# Altium PCB SVEC.pcbdoc (part 18 of 18)
Units mil, origin at the board's own origin, x right, y up, seen from the top; angles counter-clockwise.
Board outline 6349.25 x 9237.04 mil, 10 copper layers (Top Layer, L2 GND, L3, L4 PWR3.3, L5, L6, L7 GND, L8, L9 PWR, Bottom Layer), stack 58.268 mil thick; 906 components, 904 nets, 4753 pads, 3116 vias.
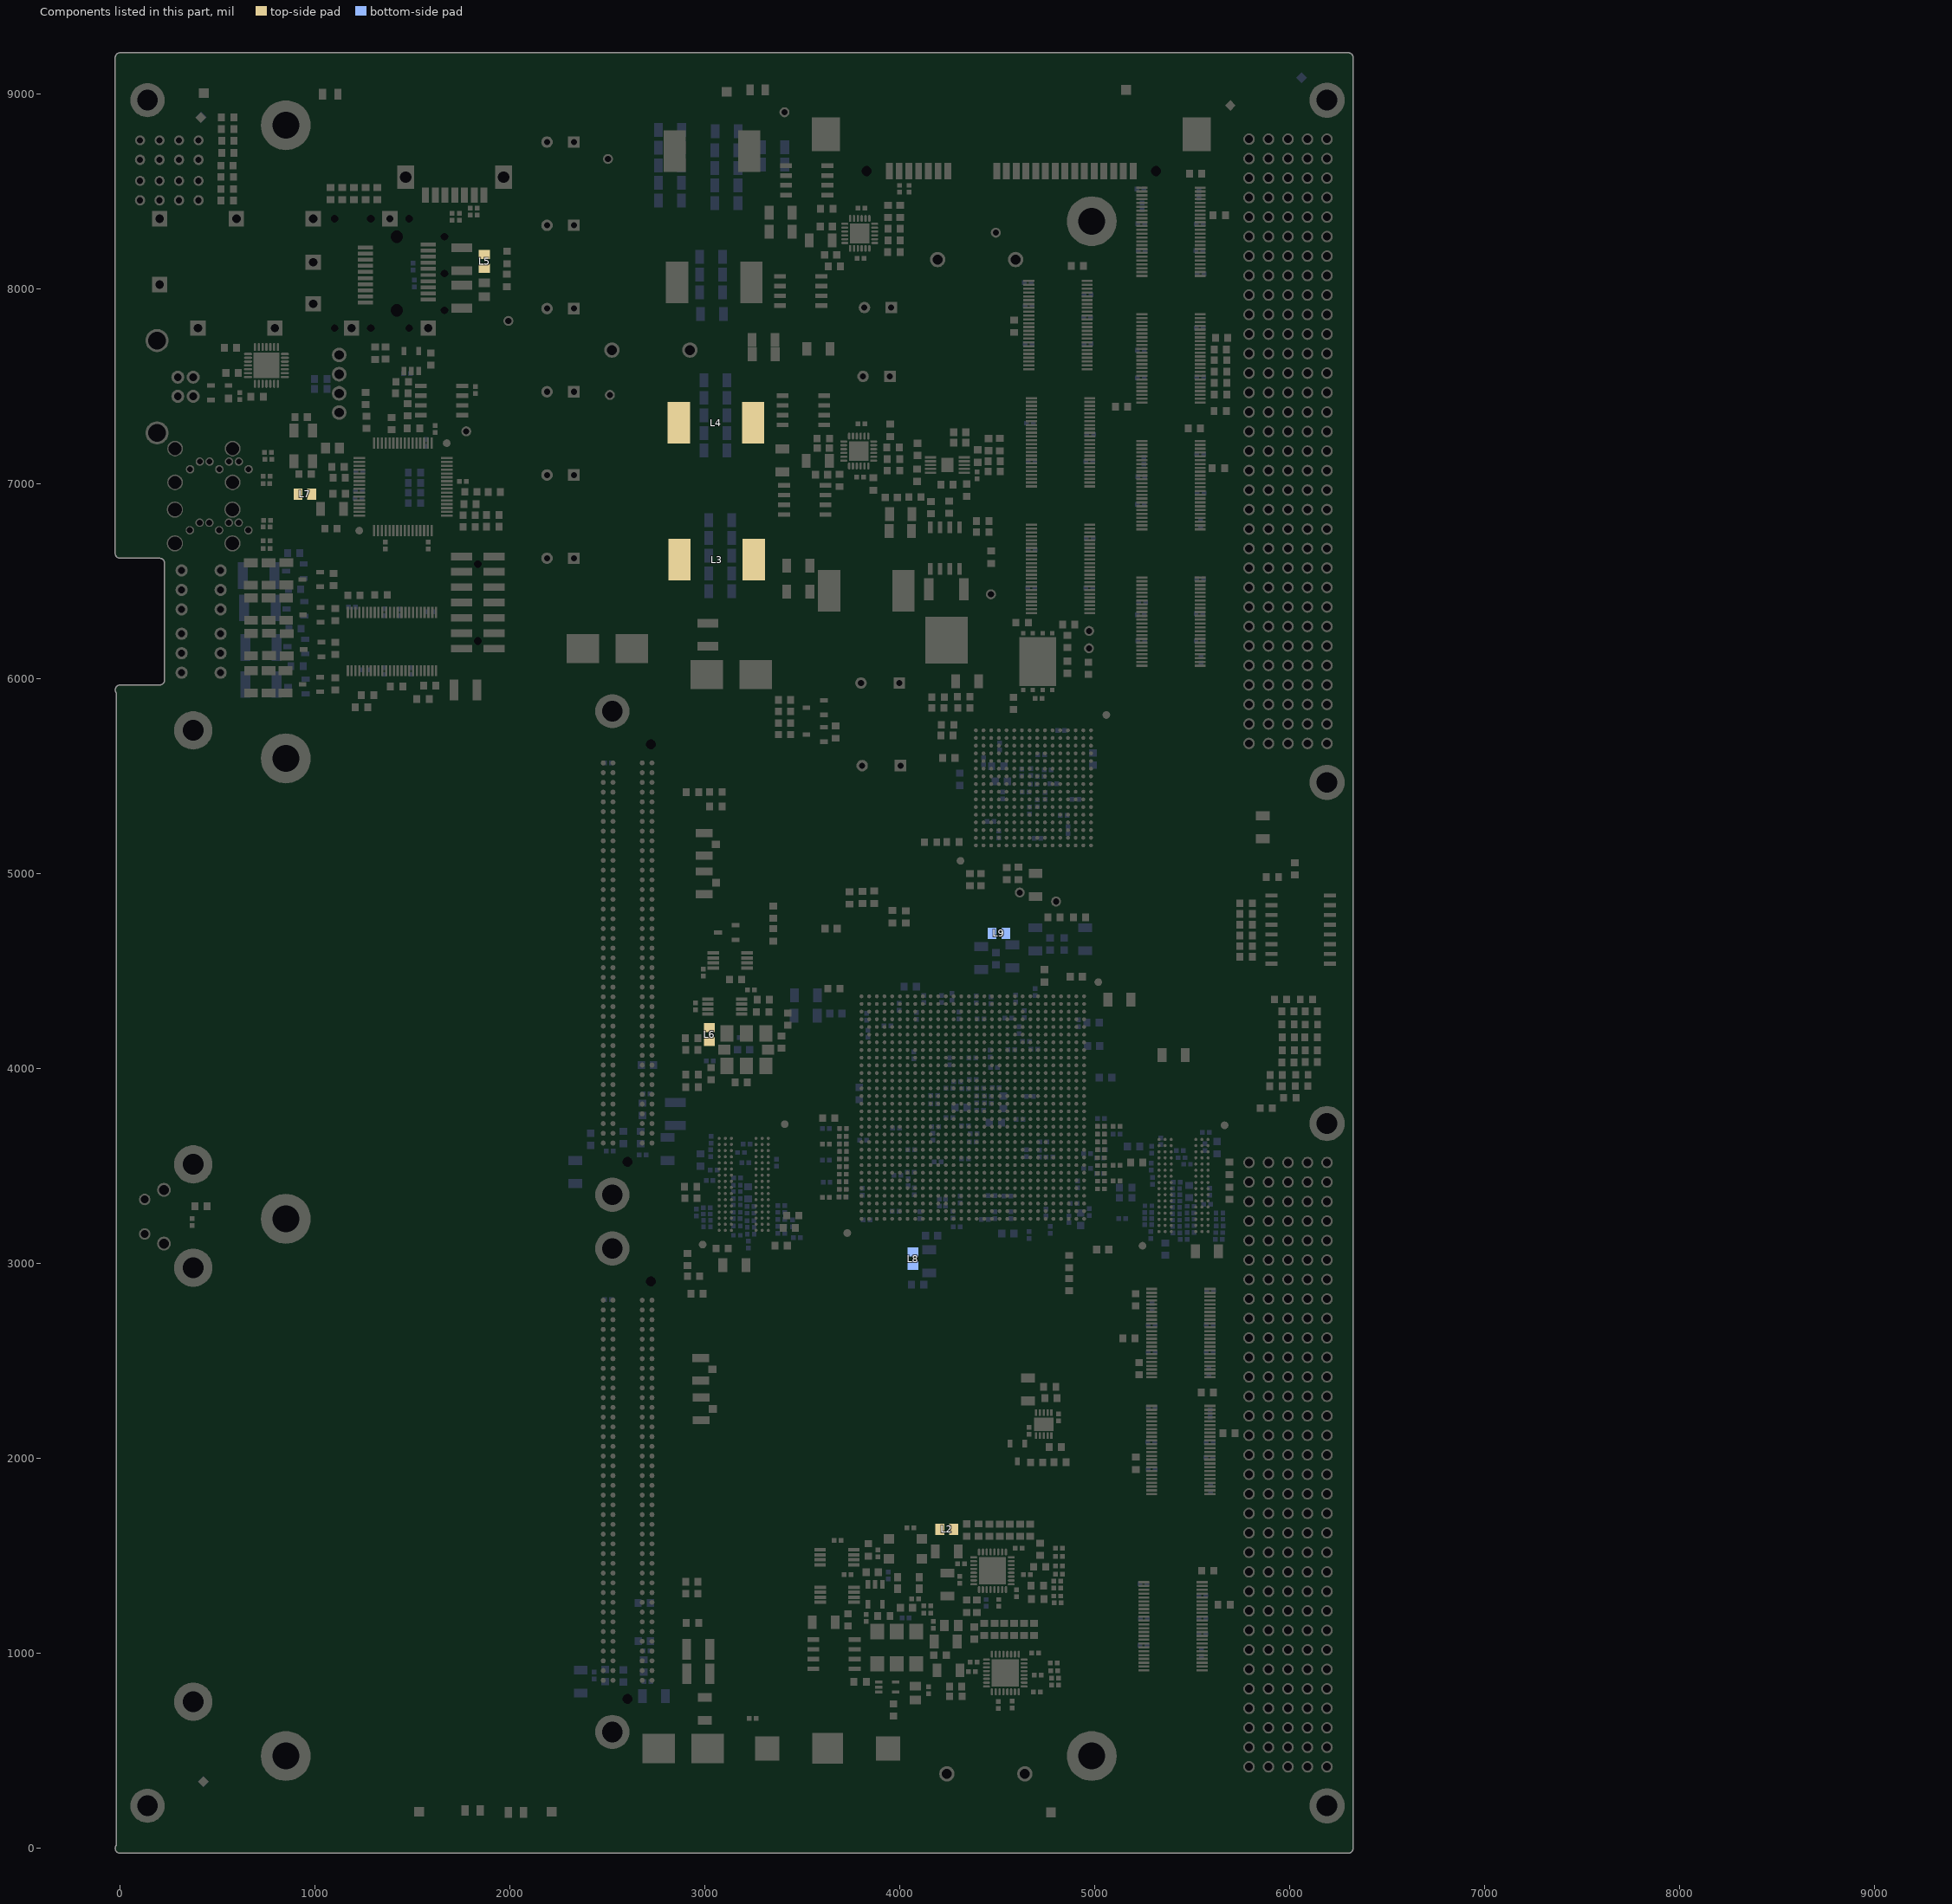
[diagram p26: the components of this part, seen from the top]

## Polygon pours and split planes (outlines as drawn) (continued)
P3V3_CLEAN on L9 PWR (split plane): 4945.48,1441.82 4945.48,749.2 4840.86,644.58 3848.24,644.58 3746.6,746.23 3746.6,1431.83 3974.2,1659.43 4727.86,1659.43
P2V5 on L9 PWR (split plane): 156 vertices, not listed, extent 2394.77,3277.58 4831.53,7668.79
P1V5 on L9 PWR (split plane): 139 vertices, not listed, extent 1580.28,945.72 5687.61,8361.43
P1V2 on L9 PWR (split plane): 255.3,2009.17 105.98,2009.17 105.98,2127.28 255.3,2127.28
P3V3 on L9 PWR (split plane): 221 vertices, not listed, extent -5.41,-5.41 6304.62,9192.42

## Keep-outs
Keep-Out Layer:
  lines w5: 0,0 0,5943.51 203.05,5943.51 ccw(c203.05,5993.51) 253.05,5993.51 253.05,6593.51 ccw(c203.05,6593.51) 203.05,6643.51 0,6643.51 0,9187.01 6299.22,9187.01 6299.22,0 0,0 ; 2410.63,597.64 ccw(c2524.81,597.64) 2638.98,597.64 ccw(c2524.81,597.64) 2410.63,597.64 ; 2410.63,3077.56 ccw(c2524.81,3077.56) 2638.98,3077.56 ccw(c2524.81,3077.56) 2410.63,3077.56 ; 2410.63,3353.15 ccw(c2524.81,3353.15) 2638.98,3353.15 ccw(c2524.81,3353.15) 2410.63,3353.15 ; 2410.63,5833.86 ccw(c2524.81,5833.86) 2638.98,5833.86 ccw(c2524.81,5833.86) 2410.63,5833.86

## Other copper
Top Layer:
  text "Dielectric" at 7090.13,5557.09 h37 r90
  text "Type" at 7164.13,5557.09 h37 r90
  text "Core" at 7500.45,5557.09 h52 r90
  text "PrePreg" at 7653.01,5557.09 h52 r90
  text "Core" at 7805.57,5557.09 h52 r90
  text "PrePreg" at 7958.12,5557.09 h52 r90
  text "Core" at 8110.68,5557.09 h52 r90
  text "PrePreg" at 8263.24,5557.09 h52 r90
  text "Core" at 8415.8,5557.09 h52 r90
  text "PrePreg" at 8568.36,5557.09 h52 r90
  text "Core" at 8720.92,5557.09 h52 r90
  text "Dielectric" at 7090.13,4982.84 h37 r90
  text "Constant" at 7164.13,4982.84 h37 r90
  text "3.50" at 7271.61,4982.84 h52 r90
  text "4.60" at 7500.45,4982.84 h52 r90
  text "4.80" at 7653.01,4982.84 h52 r90
  text "4.80" at 7805.57,4982.84 h52 r90
  text "4.80" at 7958.12,4982.84 h52 r90
  text "4.80" at 8110.68,4982.84 h52 r90
  text "4.80" at 8263.24,4982.84 h52 r90
  text "4.80" at 8415.8,4982.84 h52 r90
  text "4.80" at 8568.36,4982.84 h52 r90
  text "4.80" at 8720.92,4982.84 h52 r90
  text "3.50" at 8949.76,4982.84 h52 r90
  text "Dielectric" at 7090.13,4249.64 h37 r90
  text "Material" at 7164.13,4249.64 h37 r90
  text "Solder Resist" at 7271.61,4249.64 h52 r90
  text "FR-4" at 7500.45,4249.64 h52 r90
  text "FR-4" at 7653.01,4249.64 h52 r90
  text "FR-4" at 7805.57,4249.64 h52 r90
  text "FR-4" at 7958.12,4249.64 h52 r90
  text "FR-4" at 8110.68,4249.64 h52 r90
  text "FR-4" at 8263.24,4249.64 h52 r90
  text "FR-4" at 8415.8,4249.64 h52 r90
  text "FR-4" at 8568.36,4249.64 h52 r90
  text "FR-4" at 8720.92,4249.64 h52 r90
  text "Solder Resist" at 8949.76,4249.64 h52 r90
  text "Dielectric" at 7090.13,3675.39 h37 r90
  text "Height" at 7164.13,3675.39 h37 r90
  text "0.394mil" at 7271.61,3675.39 h52 r90
  text "3.937mil" at 7500.45,3675.39 h52 r90
  text "5.905mil" at 7653.01,3675.39 h52 r90
  text "5.905mil" at 7805.57,3675.39 h52 r90
  text "3.937mil" at 7958.12,3675.39 h52 r90
  text "11.811mil" at 8110.68,3675.39 h52 r90
  text "3.937mil" at 8263.24,3675.39 h52 r90
  text "5.905mil" at 8415.8,3675.39 h52 r90
  text "5.905mil" at 8568.36,3675.39 h52 r90
  text "3.937mil" at 8720.92,3675.39 h52 r90
  text "0.394mil" at 8949.76,3675.39 h52 r90
  text "Copper" at 7090.13,3127.03 h37 r90
  text "Thickness" at 7164.13,3127.03 h37 r90
  text "0.709mil" at 7424.17,3127.03 h52 r90
  text "0.709mil" at 7576.73,3127.03 h52 r90
  text "0.709mil" at 7729.29,3127.03 h52 r90
  text "0.709mil" at 7881.85,3127.03 h52 r90
  text "0.709mil" at 8034.4,3127.03 h52 r90
  text "0.709mil" at 8186.96,3127.03 h52 r90
  text "0.709mil" at 8339.52,3127.03 h52 r90
  text "0.709mil" at 8492.08,3127.03 h52 r90
  text "0.709mil" at 8644.64,3127.03 h52 r90
  text "0.709mil" at 8797.2,3127.03 h52 r90
  text "Gerber" at 7090.13,2639.09 h37 r90
  text "Document" at 7164.13,2639.09 h37 r90
  text "(.GTS)" at 7271.61,2639.09 h52 r90
  text "(.GTL)" at 7424.17,2639.09 h52 r90
  text "(.GP1)" at 7576.73,2639.09 h52 r90
  text "(.G1)" at 7729.29,2639.09 h52 r90
  text "(.GP2)" at 7881.85,2639.09 h52 r90
  text "(.G2)" at 8034.4,2639.09 h52 r90
  text "(.G3)" at 8186.96,2639.09 h52 r90
  text "(.GP3)" at 8339.52,2639.09 h52 r90
  text "(.G4)" at 8492.08,2639.09 h52 r90
  text "(.GP4)" at 8644.64,2639.09 h52 r90
  text "(.GBL)" at 8797.2,2639.09 h52 r90
  text "(.GBS)" at 8949.76,2639.09 h52 r90
  text "Layer Stack Up Detail for: SVEC.pcbdoc" at 6988.66,1645.97 h72 r90
  text "Layer" at 7090.13,1645.97 h37 r90
  text "Name" at 7164.13,1645.97 h37 r90
  text "Top Solder Mask" at 7271.61,1645.97 h52 r90
  text "Top Layer" at 7424.17,1645.97 h52 r90
  text "L2 GND" at 7576.73,1645.97 h52 r90
  text "L3" at 7729.29,1645.97 h52 r90
  text "L4 PWR3.3" at 7881.85,1645.97 h52 r90
  text "L5" at 8034.4,1645.97 h52 r90
  text "L6" at 8186.96,1645.97 h52 r90
  text "L7 GND" at 8339.52,1645.97 h52 r90
  text "L8" at 8492.08,1645.97 h52 r90
  text "L9 PWR" at 8644.64,1645.97 h52 r90
  text "Bottom Layer" at 8797.2,1645.97 h52 r90
  text "Bottom Solder Mask" at 8949.76,1645.97 h52 r90
  text "1" at 220.01,1103.66 h80 r90
  text "TOP" at 65.55,443.51 h75
L3:
  pour cut-out: 3713.8,9204.36 5427.01,9204.36 5427.58,9204.92 5427.58,8901.88 3713.8,8901.88
  text "3" at 220.01,1339.88 h80 r90
L6:
  pour cut-out: 3715.29,9204.36 5428.51,9204.36 5429.07,9204.92 5429.07,8901.88 3715.29,8901.88
  text "6" at 220.01,1694.21 h80 r90
L5:
  pour cut-out: 3713.8,9204.36 5427.01,9204.36 5427.58,9204.92 5427.58,8901.88 3713.8,8901.88
  text "5" at 220.01,1576.1 h80 r90
L8:
  pour cut-out: 3717.5,9204.36 5430.71,9204.36 5431.28,9204.92 5431.28,8901.88 3717.5,8901.88
  text "8" at 220.01,1930.43 h80 r90
Bottom Layer:
  pour cut-out: 3713.8,9204.36 5427.01,9204.36 5427.58,9204.92 5427.58,8901.88 3713.8,8901.88
  text "10" at 220.01,2166.65 h80 r90
  text "BOT" at 253.05,443.51 h75
L2 GND (plane layer: these items are gaps in the copper):
  rectangle: 101.9,1064.29 259.38,1182.4
  rectangle: 101.9,1300.51 259.38,2324.13
  lines w40: 3704.26,9213.89 3713.8,9204.36 3713.8,8901.88 ; 5427.62,8879.25 5427.62,9204.96 5436.55,9213.89
  text "2" at 220.01,1221.77 h80 r90
L9 PWR (plane layer: these items are gaps in the copper):
  rectangle: 101.9,1068.36 255.3,2009.17
  rectangle: 105.98,2127.28 259.38,2320.05
  lines w8: 1576.69,7913.64 1802.69,7687.64 1802.69,5711.64 1919.69,5594.64 1919.69,3631.64 2430.69,3120.64 2430.69,982.64 2471.69,941.64 3037.69,941.64 4746.69,2650.64 4845.69,2650.64 5139.69,2944.64 5572.69,2944.64 ; 1576.69,7917.64 1576.69,8227.64 1616.69,8267.64 2027.69,8267.64 ; 1897.69,8266.64 1897.69,8902.64 ; 1898.69,8902.64 2037.69,9041.64 2596.69,9041.64 ; 1995.69,8267.64 2366.69,8267.64 2464.69,8365.64 2467.69,8365.64 ; 2390.69,3761.64 2390.69,5924.64 2453.55,5987.51 2453.55,7328.51 2453.55,7540.51 2582.55,7669.51 3064.55,7669.51 3073.55,7678.51 ; 2390.69,5923.64 2390.69,3695.64 2450.69,3635.64 2855.69,3635.64 3040.24,3820.19 3655.05,3820.19 3737.69,3737.55 3743.63,3731.61 3793.45,3731.61 3912.39,3731.61 4041.55,3602.45 4041.55,3513.51 ; 2464.55,8365.51 3022.82,8365.51 3073.23,8315.1 ; 2577.69,9040.64 2963.55,9040.64 4055.69,7948.51 4055.69,6922.64 5533.69,5444.64 5533.69,3964.89 5464.4,3895.6 5691.69,3668.31 5691.69,3063.64 5571.55,2943.51 ; 3071.69,9211.64 3073.69,9209.64 ; 3073.69,7657.64 3073.69,8313.64 ; 3074.69,7664.64 3073.23,7664.64 3073.69,7664.18 3073.69,6679.64 4341.69,5411.64 4341.69,5267.64 4543.69,5065.64 4695.69,5065.64 ; 4041.55,3512.51 4041.55,3484.51 3998.55,3441.51 3998.55,3286.51 4011.55,3273.51 4733.55,3273.51 ; 4094.55,3758.51 4094.55,3759.51 ; 4358.55,4676.51 4359.55,4676.51 ; 4684.55,4007.51 4821.55,4144.51 4821.55,4584.51 ; 4694.55,5065.51 4760.55,4999.51 4760.55,4914.51 4693.55,4847.51 4657.55,4847.51 4655.55,4845.51 4403.55,4845.51 4359.55,4801.51 4359.55,4676.51 ; 4699.55,4023.51 4690.55,4014.51 4213.55,4014.51 4165.55,3966.51 4165.55,3689.51 4189.55,3665.51 4227.55,3665.51 4234.55,3672.51 4234.55,3689.51 4247.55,3702.51 4290.55,3702.51 4325.55,3667.51 4725.55,3667.51 ; 4725.55,3273.51 4731.55,3273.51 4751.55,3293.51 4751.55,3588.51 ; 4727.55,3667.51 4729.55,3667.51 4752.06,3645 4752.55,3645 4752.55,3681.55 4813.55,3742.55 4930.56,3859.56 5428.36,3859.56 5464.8,3896 ; 4751.55,3589.51 4751.55,3645.51 ; 4820.55,4563.51 4820.55,4587.51 4836.55,4603.51 ; 4835.55,4604.51 4835.55,4630.51 4816.55,4649.51 4559.55,4649.51 4386.55,4649.51 4359.55,4676.51 ; 101.9,1064.29 101.9,2324.13 259.38,2324.13 259.38,1064.29 101.9,1064.29 ; 3742.52,744.54 3846.55,640.51 4086.55,640.51 4842.55,640.51 4949.55,747.51 4949.55,1443.51 4729.55,1663.51 3972.51,1663.51 3742.52,1433.52 3742.52,744.54
  lines w40: 3713.8,8879.25 3713.8,9202.17 3723.95,9212.32 ; 5427.62,8879.25 5427.62,9203.52 5436.55,9212.45
  text "9" at 220.01,2048.54 h80 r90
L4 PWR3.3 (plane layer: these items are gaps in the copper):
  rectangle: 98.69,1065.64 259.69,1420.64
  rectangle: 101.69,1537.64 259.69,2324.64
  lines w8: 3073.69,9203.64 3073.69,6658.64 3171.69,6560.64 3979.69,6560.64 4312.69,6893.64 4312.69,8465.64 4395.69,8548.64 4700.69,8548.64 4728.69,8520.64 4728.69,8463.64 4766.69,8425.64 4904.69,8425.64 4971.69,8492.64 5206.69,8492.64 5542.07,8492.64 5751.51,8702.08 5923.98,8702.08 6013.16,8702.08 6042.69,8672.55 6042.69,5839.64 6023.69,5820.64 5873.69,5820.64 5828.69,5775.64 5828.69,5626.64 5857.69,5597.64 5977.69,5597.64 6022.69,5552.64 6022.69,5182.64 6054.69,5150.64 6054.69,3732.64 5949.69,3627.64 ; 5928.69,516.64 5928.69,3606.64 6052.69,3730.64 ; 5929.69,529.64 5929.69,376.64 5987.69,318.64 6317.69,318.64 6322.69,323.64 ; 101.9,1064.29 259.38,1064.29 259.38,2324.13 101.9,2324.13 101.9,1064.29
  lines w40: 3704.26,9212.32 3713.8,9202.78 3713.8,8901.88 ; 5427.58,8898.93 5427.58,9204.93
  text "4" at 220.01,1457.99 h80 r90
L7 GND (plane layer: these items are gaps in the copper):
  rectangle: 102.69,1891.64 257.69,2324.64
  rectangle: 100.69,1061.64 260.69,1773.64
  lines w40: 3713.8,8898.93 3713.8,9203.74 3723.95,9213.89 ; 5427.62,8879.25 5427.62,9204.96 5436.55,9213.89
  text "7" at 220.01,1812.32 h80 r90

## Silkscreen, mask and mechanical layers (free items; w line width, h text height)
Top Overlay:
  rectangle: 4251.55,2074.37 4324.82,2255.37
  rectangle: 4036.83,2230.37 4324.82,2342.37
  rectangle: 3361.82,2273.37 4042.82,2342.37
  lines w6: 903.69,6578.64 908.69,6573.64 908.69,5895.64 947.69,5856.64 1146.69,5856.64 1168.69,5834.64 1168.69,5454.64 ; 1755.69,8332.64 1760.69,8327.64 1791.69,8327.64 1797.69,8321.64 1805.69,8321.64 ; 3387,1099 3566,1099 3575,1108 3697,1108 3708,1119 ; 4191,1182 4191,1201 4204,1214 4253,1214 ; 4416.69,1066.64 4423.69,1059.64 4716.69,1059.64 4725.69,1068.64 5068.69,1068.64 5080.69,1080.64 ; 4468.69,1237.64 4488.69,1217.64 4529.69,1217.64 ; 4763.69,1353.64 4850.42,1353.64 ; 4852.55,1351.51 4982.55,1351.51 ; 5542.69,4180.64 5542.69,4401.64 5549.69,4408.64 5818.69,4408.64 5929.69,4297.64 5929.69,4044.64
  lines w8: -248.45,7773.44 123.62,7773.44 124.55,7772.51 ; -96.45,8405.51 150.55,8405.51 154.55,8409.51 248.55,8409.51 253.55,8404.51 437.55,8404.51 ; 256.55,7773.51 342.55,7773.51 343.55,7774.51 ; 1787.55,7037.51 1803.55,7053.51 1926.55,7053.51 ; 1803.55,6990.51 1812.55,6999.51 1931.55,6999.51 ; 3684.55,3789.51 3709.55,3814.51 3709.55,4217.51 3690.55,4236.51 3687.55,4236.51 ; 3711.55,3988.51 3724.55,3988.51 3742.55,3970.51 3742.55,3719.51 3750.55,3711.51 3750.55,3333.51 3736.55,3319.51 ; 3726.55,3731.51 3736.55,3721.51 3742.55,3721.51 ; 4926.55,6293.51 4936.55,6303.51 5152.55,6303.51 ; 5058.55,3741.51 5074.55,3725.51 5074.55,3716.51 ; 5061.55,3359.51 5073.55,3371.51 5073.55,3867.51 5099.55,3893.51 5204.55,3893.51 ; 5204.55,4069.51 5204.55,3725.51 5219.55,3710.51 5288.55,3710.51 ; 5590.55,7427.51 5580.55,7437.51 5580.55,7779.51 5595.55,7794.51 5595.55,7823.51 ; 5610.55,7804.51 5593.55,7821.51 5593.55,8046.51 5606.55,8059.51 5615.55,8059.51
  lines w10: 3689,8406 3696,8413 3731.55,8413 ; 3743.63,8918.62 3743.63,9056.41 ; 5377.49,8918.62 5377.49,9056.41
  text "PCIe data" at 1008.55,8712.64 h80
  text "P1V2" at 2424.69,8556.64 h28
  text "SFP" at 810.55,8458.51 h80
  text "PCIe clock & SUPPLY" at 4097,8375 h80
  text "P3V3" at 4557.69,8262.64 h40
  text "POWER 3.3V" at 2092.55,8034.51 h30 r90
  text "GND" at 1967.69,7750.64 h28
  text "USB" at 489.69,7567.64 h80 r90
  text "INT USB" at 960.69,7407.64 h80 r90
  text "P2V5" at 2429.69,7363.64 h40
  text "P1V8" at 1833.69,7293.64 h40
  text "SATA0" at 509.69,7274.64 h80
  text "SATA1" at 930.69,6658.64 h80
  text "SFPGA PROGRAM" at 5005.55,6272.51 h25
  text "SFPGA INIT B" at 5013.55,6175.51 h30
  text "P12V VME" at 4469.55,6070.51 h40 r90
  text "DBG LED 1" at 4117.69,6036.64 h28
  text "FMC2 3.3V" at 2013.55,5878.51 h80
  text "FMCs 12V" at 2738.55,5826.51 h80
  text "USER IO" at 523.55,5816.51 h80
  text "DBG LED 2" at 4148.69,5792.64 h28
  text "AFPGA DONE" at 3057.55,5764.51 h30
  text "SFPGA DONE" at 3058.55,5678.51 h30
  text "N" at 3094.69,5088.64 h30 r90
  text "NOGA0" at 5250.55,4923.51 h80
  text "AFPGA CSO" at 4839.69,4896.64 h28
  text "P" at 3095.69,4880.64 h30 r90
  text "NOGA1" at 5250.55,4856.51 h80
  text "FMC2 CLOCK" at 3182.69,4804.64 h80 r90
  text "AFPGA MOSI" at 4350.69,4798.64 h28
  text "NOGA2" at 5250.55,4790.51 h80
  text "NOGA3" at 5250.55,4725.51 h80
  text "NOGA4" at 5250.55,4660.51 h80
  text "USEGA" at 5250.55,4594.51 h80
  text "SWITCH0" at 5250.55,4529.51 h80
  text "SWITCH1" at 5250.55,4465.51 h80
  text "DBG LED 3" at 5910.55,4445.51 h28
  text "pcbrev0" at 5331.69,4399.64 h28
  text "pcbrev1" at 5331.69,4350.64 h28
  text "pcbrev2" at 5330.69,4296.64 h28
  text "pcbrev3" at 5331.69,4244.64 h28
  text "pcbrev4" at 5331.69,4188.64 h28
  text "FMC Slot 2" at 2207.55,3972.51 h150 r90
  text "DBG LED 4" at 5500.69,3942.64 h28
  text "DBG LED 1" at 5509.69,3891.64 h28
  text "DBG LED 2" at 5510.69,3838.64 h28
  text "USER SW" at 588.55,3068.51 h80 r90
  text "Open Hardware Repository" at 3282.69,2764.64 h65
  text "http://ohwr.org/projects/svec" at 3329.55,2645.51 h55
  text "Licensed under CERN OHL v 1.1" at 3201.69,2523.64 h60
  text "http://ohwr.org/CERNOHL" at 3346.69,2407.64 h60
  text "N" at 3073.69,2396.64 h30 r90
  text "P" at 3074.69,2188.64 h30 r90
  text "FMC1 CLOCK" at 3161.69,2112.64 h80 r90
  text "SVEC" at 3381.82,2097.37 h320.17
  text "v0" at 4070.82,2096.37 h240.16
  text "Simple VME FMC Carrier" at 3305.69,1952.64 h70
  text "PGOOD" at 4794.55,1929.51 h30
  text "FMC Slot 1" at 2254.55,1324.51 h150 r90
  text "FMC1 3.3V" at 2654.55,264.51 h80
Bottom Overlay:
  lines w4: 2842.55,3228.51 2845.55,3225.51 2970.55,3225.51 2974.69,3229.64 2974.69,3238.64
  lines w6: 2818.69,3170.64 2936.69,3170.64 2972.69,3206.64 ; 2957.69,2709.64 3072.69,2709.64 3091.69,2728.64 3091.69,3117.64 3122.69,3148.64 3122.69,3455.64 ; 3274.69,3299.64 3276.69,3297.64 3276.69,2870.64 3300.69,2846.64 3403.69,2846.64 ; 3428.69,3307.64 3428.69,3099.64 3460.69,3067.64 3460.69,2896.64 3474.69,2882.64 3568.69,2882.64 ; 3994.69,3778.64 4247.69,3778.64 4253.69,3784.64 ; 4421.69,3920.64 4435.69,3934.64 4528.69,3934.64 ; 4474.69,3802.64 4474.69,3795.64 4504.69,3765.64 4568.69,3765.64 4585.69,3782.64 4712.69,3782.64 ; 5075.69,3170.64 5149.69,3170.64 5154.69,3175.64 5154.69,3201.64 5164.69,3211.64 5213.69,3211.64 5233.69,3231.64 ; 5195.69,2691.64 5206.69,2691.64 5221.69,2706.64 5221.69,3074.64 5244.69,3097.64 5310.69,3097.64 5329.69,3116.64 5329.69,3128.64 5352.69,3151.64 5365.69,3151.64 5379.69,3165.64 5379.69,3420.64 ; 5530.69,3291.64 5530.69,3131.64 5520.69,3121.64 5520.69,2928.64 5527.69,2921.64 5534.69,2921.64
  lines w10: 3743.63,8918.62 3743.63,9056.41 ; 5377.49,8918.62 5377.49,9056.41
  text "P0" at 5543.55,2766.51 h30
  text "VME" at 5458.55,2764.51 h30
Top Paste:
  text ".Layer_Name" at 2690.55,-706.49 h75
Bottom Paste:
  text ".Layer_Name" at 4190.55,-706.49 h75
Top Solder:
  region: 5890.55,9193.51 5890.55,9093.51 5878.05,9081.01 5215.55,9081.01 5203.05,9068.51 5203.05,8993.51 5190.55,8981.01 5115.55,8981.01 5103.05,8993.51 5103.05,9068.51 5090.55,9081.01 4553.05,9081.01 4540.55,9093.51 4540.55,9193.51
  region: 3965.55,9193.51 3965.55,9093.51 3953.05,9081.01 3178.05,9081.01 3165.55,9068.51 3165.55,8981.01 3153.05,8968.51 3078.05,8968.51 3065.55,8981.01 3065.55,9068.51 3053.05,9081.01 2178.05,9081.01 2165.55,9093.51 2165.55,9193.51
  region: -9.45,8806.01 315.55,8806.01 340.55,8831.01 340.55,9031.01 359.3,9049.76 371.8,9049.76 378.05,9043.51 378.05,8968.51 390.55,8956.01 465.55,8956.01 478.05,8968.51 478.05,9043.51 490.55,9056.01 1578.05,9056.01 1590.55,9068.51 1590.55,9193.51 -9.45,9193.51
  region: -9.45,406.01 315.55,406.01 340.55,381.01 340.55,156.01 365.55,131.01 1478.05,131.01 1490.55,143.51 1490.55,218.51 1503.05,231.01 1578.05,231.01 1590.55,218.51 1590.55,-6.49 -9.45,-6.49
  region: 2165.55,-6.49 2165.55,218.51 2178.05,231.01 2253.05,231.01 2265.55,218.51 2265.55,118.51 2278.05,106.01 3953.05,106.01 3965.55,93.51 3965.55,-6.49
  region: 4540.55,-6.49 4540.55,118.51 4553.05,131.01 4715.55,131.01 4728.05,143.51 4728.05,218.51 4740.55,231.01 4815.55,231.01 4828.05,218.51 4828.05,143.51 4840.55,131.01 5878.05,131.01 5890.55,118.51 5890.55,-6.49
  text ".Layer_Name" at 2690.55,-606.49 h75
Bottom Solder:
  region: -9.45,8806.01 315.55,8806.01 340.55,8831.01 340.55,9031.01 365.55,9056.01 1578.05,9056.01 1590.55,9068.51 1590.55,9193.51 -9.45,9193.51
  region: 3965.55,9193.51 3965.55,9099.76 3953.05,9087.26 2178.05,9087.26 2165.55,9099.76 2165.55,9193.51
  region: 5890.55,9193.51 5890.55,9093.51 5878.05,9081.01 4553.05,9081.01 4540.55,9093.51 4540.55,9193.51
  region: -9.45,406.01 315.55,406.01 340.55,381.01 340.55,156.01 365.55,131.01 1578.05,131.01 1590.55,118.51 1590.55,-6.49 -9.45,-6.49
  region: 2165.55,-6.49 2165.55,93.51 2178.05,106.01 3953.05,106.01 3965.55,93.51 3965.55,-6.49
  region: 4540.55,-6.49 4540.55,93.51 4553.05,106.01 4765.55,106.01 4790.55,131.01 5878.05,131.01 5890.55,118.51 5890.55,-6.49
  text ".Layer_Name" at 4190.55,-606.49 h75
Mechanical 1:
  lines w20: 3713.8,8901.88 5427.58,8901.88
  lines w39.37: 0,0 0,653.3 ; 0,645.51 0,5866.51 ; 0,3074.05 0,3404.55 ; 0,5830.3 0,5943.51
  lines w50: 0,0 6299.22,0 6299.22,9187.01 0,9187.01 0,6643.51 203.05,6643.51 cw(c203.05,6593.51) 253.05,6593.51 253.05,5993.51 cw(c203.05,5993.51) 203.05,5943.51 0,5943.51
Mechanical 2:
  lines w5: -829.53,-106.3 -868.9,-106.3 -868.9,-185.04 -199.61,-185.04 ; -829.53,314.96 -868.9,314.96 -868.9,393.7 -747.25,393.7 -540.11,259.86 ccw(c-433.28,425.2) -433.28,228.35 -199.61,228.35 ; -829.53,5142.72 -868.9,5142.72 -868.9,5063.98 -199.61,5063.98 ; -829.53,5563.98 -868.9,5563.98 -868.9,5642.72 -747.25,5642.72 -540.11,5508.88 ccw(c-433.28,5674.22) -433.28,5477.36 -199.61,5477.36 ; -790.16,-106.3 -294.1,-106.3 -294.1,149.61 -514.57,149.61 -770.47,314.96 -790.16,314.96 ; -790.16,5142.72 -294.1,5142.72 -294.1,5398.62 -514.57,5398.62 -770.47,5563.98 -790.16,5563.98 ; -593.31,-540.35 -309.84,-540.35 ; -593.31,-520.67 -309.84,-520.67 ; -593.31,-500.98 -309.84,-500.98 ; -593.31,-481.3 -309.84,-481.3 ; -593.31,-461.61 -309.84,-461.61 ; -593.31,-441.93 -309.84,-441.93 ; -593.31,-422.24 -309.84,-422.24 ; -593.31,-402.56 -309.84,-402.56 ; -593.31,-382.87 -309.84,-382.87 ; -593.31,-363.19 -309.84,-363.19 ; -593.31,-343.5 -309.84,-343.5 ; -593.31,9530.52 -309.84,9530.52 ; -593.31,9550.2 -309.84,9550.2 ; -593.31,9569.89 -309.84,9569.89 ; -593.31,9589.57 -309.84,9589.57 ; -593.31,9609.26 -309.84,9609.26 ; -593.31,9628.94 -309.84,9628.94 ; -593.31,9648.63 -309.84,9648.63 ; -593.31,9668.31 -309.84,9668.31 ; -593.31,9688 -309.84,9688 ; -593.31,9707.68 -309.84,9707.68 ; -593.31,9727.37 -309.84,9727.37 ; -101.18,-481.3 162.6,-481.3 201.97,-441.93 162.6,-402.56 -101.18,-402.56 ; -101.18,5152.56 -101.18,5585.63 ; -101.18,9589.57 162.6,9589.57 201.97,9628.94 162.6,9668.31 -101.18,9668.31 ; -1.18,-98.43 -1.18,334.65 ; -1.18,5152.56 -1.18,5585.63 ; -1.18,8852.37 -1.18,9285.44 ; -593.31,-560.04 -309.84,-560.04 ; -593.31,-560.04 -593.31,-323.82 ; -593.31,-560.04 -624.8,-528.54 -624.8,-355.32 -593.31,-323.82 ; -593.31,-323.82 -309.84,-323.82 ; -593.31,9510.83 -309.84,9510.83 ; -593.31,9510.83 -593.31,9747.05 ; -593.31,9510.83 -624.8,9542.33 -624.8,9715.56 -593.31,9747.05 ; -593.31,9747.05 -309.84,9747.05 ; -309.84,-560.04 -309.84,-323.82 ; -309.84,-560.04 -199.61,-560.04 -199.61,-323.82 -309.84,-323.82 ; -309.84,9510.83 -309.84,9747.05 ; -309.84,9510.83 -199.61,9510.83 -199.61,9747.05 -309.84,9747.05 ; -829.53,-143.7 -829.53,352.36 -790.16,352.36 -790.16,-143.7 -829.53,-143.7 ; -829.53,5105.32 -829.53,5601.38 -790.16,5601.38 -790.16,5105.32 -829.53,5105.32 ; -357.09,-49.21 ccw(c-337.4,-49.21) -337.4,-68.9 -294.1,-68.9 -294.1,108.27 -337.4,108.27 ccw(c-337.4,88.58) -357.09,88.58 -357.09,35.43 -325.59,35.43 -325.59,3.94 -357.09,3.94 -357.09,-49.21 ; -357.09,5201.77 ccw(c-337.4,5201.77) -337.4,5182.09 -294.1,5182.09 -294.1,5359.25 -337.4,5359.25 ccw(c-337.4,5339.57) -357.09,5339.57 -357.09,5286.42 -325.59,5286.42 -325.59,5254.92 -357.09,5254.92 -357.09,5201.77 ; -199.61,-563.98 -199.61,9750.99 -101.18,9750.99 -101.18,-563.98 -199.61,-563.98 ; -101.18,-98.43 -101.18,334.65 292.52,334.65 292.52,-98.43 -101.18,-98.43 ; -101.18,8852.37 -101.18,9285.44 292.52,9285.44 292.52,8852.37 -101.18,8852.37
Mechanical 3:
  drawing of 345 lines, arcs and shapes, not listed
Corners:
  lines w10: -196.85,0 0,0 0,-196.85 ; -196.85,9187.01 0,9187.01 0,9383.86 ; 6299.22,-196.85 6299.22,0 6496.07,0 ; 6299.22,9383.86 6299.22,9187.01 6496.07,9187.01
Title Block:
  circle w12: c465.55,-506.49 r150
  lines w10: 390.55,-556.19 ccw(c565.55,-556.49) 418.62,-461.44 ; 740.55,-556.49 740.55,-381.49 ; 840.55,-681.49 2490.55,-681.49 ; 840.55,-556.49 2490.55,-556.49 ; 840.55,-431.49 2490.55,-431.49 ; 1390.55,-806.49 1390.55,-306.49 ; 290.55,-806.49 290.55,-306.49 790.55,-306.49 790.55,-806.49 290.55,-806.49 ; 840.55,-806.49 840.55,-306.49 2490.55,-306.49 2490.55,-806.49 840.55,-806.49
  text "Number" at 890.55,-406.49 h75
  text "EDA-02030-V1" at 1440.55,-406.49 h75
  text "Drawn By" at 890.55,-531.49 h75
  text "CEGELEC BC" at 1440.55,-531.49 h75
  text "CERN" at 340.55,-541.49 h100
  text "DATE" at 890.55,-656.49 h75
  text "19-04-2010" at 1440.55,-656.49 h75
  text "MOD." at 890.55,-781.49 h75
  text "-" at 1440.55,-781.49 h75
  text "Print Date" at 890.55,-906.49 h50
  text ".Print_Date" at 1490.55,-906.49 h50
  text ".Print_Time" at 1990.55,-906.49 h50
  text ".Print_Scale" at 890.55,-1006.49 h50
Notvisible:
  drawing of 456 lines, arcs and shapes, not listed
  text "c" at 5879.46,8804.73 h39.37
  text "a" at 6076.06,8804.02 h39.37
  text "z" at 6176.77,8804.73 h39.37
  text "d" at 5777.49,8799.54 h39.37
  text "b" at 5976.06,8799.54 h39.37
  text "6090.554,8768.506 (mil)" at 6115.55,8768.51 h60
  text "1" at 5680.71,8748.82 h39.37
  text "P1" at 5592.52,6979.14 h78.74
  text "32" at 5661.81,5648.65 h39.37
  text "FMC Pin A1" at 2881.89,5614.17 h30
  text "6240.16,5302.168 (mil)" at 6265.16,5302.17 h60
  text "GRID ORG" at 6390.55,4693.51 h78.74
  text "6190.554,4593.506 (mil)" at 6215.55,4593.51 h60
  text "c" at 5879.46,3554.73 h39.37
  text "a" at 6076.06,3554.01 h39.37
  text "z" at 6176.77,3554.73 h39.37
  text "d" at 5777.49,3549.53 h39.37
  text "b" at 5976.06,3549.53 h39.37
  text "6090.554,3518.506 (mil)" at 6115.55,3518.51 h60
  text "1" at 5680.71,3498.82 h39.37
  text "FMC Pin A1" at 2877.96,2858.27 h30
  text "P2" at 5532.28,1927.16 h78.74
  text "Origin FMC card" at 5291.34,1062.99 h30
  text "32" at 5661.81,398.65 h39.37
  text "-0.001,0 (mil)" at 25,0 h60
Drill Drawing:
  text ".LEGEND" at 3.05,9606.01 h78.74
  text "Components" at 5565.55,-406.49 h75
  text "897" at 6265.55,-406.49 h75
  text "Pins" at 5565.55,-506.49 h75
  text "4731" at 6265.55,-506.49 h75
  text "Vias" at 5565.55,-606.49 h75
  text "3078" at 6265.55,-606.49 h75
  text "Holes" at 5565.55,-706.49 h75
  text ".Hole_Count" at 6265.55,-706.49 h75
  text "Nets" at 5565.55,-806.49 h75
  text "902" at 6265.55,-806.49 h75

## Dimensions
0,6643.51 to 253.05,6593.51 on Drill Drawing
203.05,5993.51 to 315.55,5881.01 on Drill Drawing
0,6643.51 to 0,5943.51 on Drill Drawing
0,9187.01 to 0,6643.51 on Drill Drawing
0,9187.01 to 6299.22,9187.01 on Drill Drawing
6299.22,0 to 6299.22,9187.01 on Drill Drawing
0,0 to 140.55,218.5 on Drill Drawing
0,0 to 140.55,218.5 on Drill Drawing

## Text inside footprints (layer, text, board x,y; h text height)
IC4: Mechanical 14 "T" at 5253.77,3156.41 h15.75; Mechanical 14 "J" at 5253.77,3376.88 h15.75; Mechanical 14 "R" at 5253.77,3187.91 h15.75; Mechanical 14 "P" at 5253.77,3219.4 h15.75; Mechanical 14 "N" at 5253.77,3250.9 h15.75; Mechanical 14 "B" at 5253.77,3597.36 h15.75; Mechanical 14 "C" at 5253.77,3565.86 h15.75; Mechanical 14 "D" at 5253.77,3534.36 h15.75; Mechanical 14 "E" at 5253.77,3502.87 h15.75; Mechanical 14 "F" at 5253.77,3471.37 h15.75; Mechanical 14 "G" at 5253.77,3439.88 h15.75; Mechanical 14 "H" at 5253.77,3408.38 h15.75; Mechanical 14 "M" at 5253.77,3282.4 h15.75; Mechanical 14 "K" at 5253.77,3345.39 h15.75; Mechanical 14 "L" at 5253.77,3313.89 h15.75; Mechanical 14 "9" at 5575.62,3686.92 h15.75; Mechanical 14 "8" at 5544.12,3686.92 h15.75; Mechanical 14 "7" at 5512.62,3686.92 h15.75; Mechanical 14 "3" at 5386.64,3686.92 h15.75; Mechanical 14 "2" at 5355.14,3686.92 h15.75; Mechanical 14 "1" at 5323.65,3686.92 h15.75
IC19: Mechanical 14 "30" at 3794.81,3170.58 h23.62 r270; Mechanical 14 "29" at 3834.18,3170.58 h23.62 r270; Mechanical 14 "28" at 3873.55,3170.58 h23.62 r270; Mechanical 14 "27" at 3912.92,3170.58 h23.62 r270; Mechanical 14 "26" at 3952.29,3170.58 h23.62 r270; Mechanical 14 "25" at 3991.66,3170.58 h23.62 r270; Mechanical 14 "24" at 4031.03,3170.58 h23.62 r270; Mechanical 14 "23" at 4070.4,3170.58 h23.62 r270; Mechanical 14 "2" at 4895.21,3170.58 h23.62 r270; Mechanical 14 "3" at 4855.84,3170.58 h23.62 r270; Mechanical 14 "4" at 4816.47,3170.58 h23.62 r270; Mechanical 14 "5" at 4777.1,3170.58 h23.62 r270; Mechanical 14 "16" at 4344.03,3170.58 h23.62 r270; Mechanical 14 "15" at 4383.4,3170.58 h23.62 r270; Mechanical 14 "14" at 4422.77,3170.58 h23.62 r270; Mechanical 14 "13" at 4462.14,3170.58 h23.62 r270; Mechanical 14 "12" at 4501.51,3170.58 h23.62 r270; Mechanical 14 "11" at 4540.88,3170.58 h23.62 r270; Mechanical 14 "10" at 4580.25,3170.58 h23.62 r270; Mechanical 14 "9" at 4619.62,3170.58 h23.62 r270; Mechanical 14 "8" at 4658.99,3170.58 h23.62 r270; Mechanical 14 "7" at 4698.36,3170.58 h23.62 r270; Mechanical 14 "6" at 4737.73,3170.58 h23.62 r270; Mechanical 14 "1" at 4934.58,3170.58 h23.62 r270; Mechanical 14 "18" at 4265.29,3170.58 h23.62 r270; Mechanical 14 "19" at 4225.92,3170.58 h23.62 r270; Mechanical 14 "20" at 4186.55,3170.58 h23.62 r270; Mechanical 14 "21" at 4147.18,3170.58 h23.62 r270; Mechanical 14 "22" at 4109.77,3170.58 h23.62 r270; Mechanical 14 "17" at 4304.66,3170.58 h23.62 r270; Mechanical 14 "AB" at 5038.91,4068.22 h23.62 r180; Mechanical 14 "AA" at 5038.91,4028.85 h23.62 r180; Mechanical 14 "Y" at 5019.22,3989.48 h23.62 r180; Mechanical 14 "W" at 5019.22,3950.11 h23.62 r180; Mechanical 14 "V" at 5019.22,3910.74 h23.62 r180; Mechanical 14 "U" at 5019.22,3871.37 h23.62 r180; Mechanical 14 "T" at 5019.22,3832 h23.62 r180; Mechanical 14 "R" at 5019.22,3792.63 h23.62 r180; Mechanical 14 "P" at 5019.22,3753.26 h23.62 r180; Mechanical 14 "N" at 5019.22,3713.89 h23.62 r180; Mechanical 14 "M" at 5019.22,3674.52 h23.62 r180; Mechanical 14 "L" at 5019.22,3635.15 h23.62 r180; Mechanical 14 "K" at 5019.22,3595.78 h23.62 r180; Mechanical 14 "J" at 5019.22,3556.41 h23.62 r180; Mechanical 14 "H" at 5019.22,3517.04 h23.62 r180; Mechanical 14 "G" at 5019.22,3477.67 h23.62 r180; Mechanical 14 "F" at 5019.22,3438.3 h23.62 r180; Mechanical 14 "E" at 5019.22,3398.93 h23.62 r180; Mechanical 14 "D" at 5019.22,3359.56 h23.62 r180; Mechanical 14 "C" at 5019.22,3320.19 h23.62 r180; Mechanical 14 "B" at 5019.22,3280.82 h23.62 r180; Mechanical 14 "A" at 5019.22,3241.45 h23.62 r180; Mechanical 14 "AC" at 5038.91,4107.59 h23.62 r180; Mechanical 14 "AD" at 5038.91,4146.96 h23.62 r180; Mechanical 14 "AE" at 5038.91,4186.33 h23.62 r180; Mechanical 14 "AF" at 5038.91,4225.7 h23.62 r180; Mechanical 14 "AG" at 5038.91,4265.07 h23.62 r180; Mechanical 14 "AH" at 5038.91,4304.44 h23.62 r180; Mechanical 14 "AJ" at 5038.91,4343.81 h23.62 r180; Mechanical 14 "AK" at 5038.91,4383.18 h23.62 r180
IC28: Mechanical 14 "T" at 2997.77,3162.41 h15.75; Mechanical 14 "J" at 2997.77,3382.88 h15.75; Mechanical 14 "R" at 2997.77,3193.91 h15.75; Mechanical 14 "P" at 2997.77,3225.4 h15.75; Mechanical 14 "N" at 2997.77,3256.9 h15.75; Mechanical 14 "B" at 2997.77,3603.36 h15.75; Mechanical 14 "C" at 2997.77,3571.86 h15.75; Mechanical 14 "D" at 2997.77,3540.36 h15.75; Mechanical 14 "E" at 2997.77,3508.87 h15.75; Mechanical 14 "F" at 2997.77,3477.37 h15.75; Mechanical 14 "G" at 2997.77,3445.88 h15.75; Mechanical 14 "H" at 2997.77,3414.38 h15.75; Mechanical 14 "M" at 2997.77,3288.4 h15.75; Mechanical 14 "K" at 2997.77,3351.39 h15.75; Mechanical 14 "L" at 2997.77,3319.89 h15.75; Mechanical 14 "9" at 3319.62,3692.92 h15.75; Mechanical 14 "8" at 3288.12,3692.92 h15.75; Mechanical 14 "7" at 3256.62,3692.92 h15.75; Mechanical 14 "3" at 3130.64,3692.92 h15.75; Mechanical 14 "2" at 3099.14,3692.92 h15.75; Mechanical 14 "1" at 3067.65,3692.92 h15.75
IC40: Mechanical 14 "1" at 4963.1,5086.18 h23.62 r270; Mechanical 14 "6" at 4768.22,5086.18 h23.62 r270; Mechanical 14 "7" at 4728.85,5086.18 h23.62 r270; Mechanical 14 "8" at 4690.46,5086.18 h23.62 r270; Mechanical 14 "9" at 4648.14,5086.18 h23.62 r270; Mechanical 14 "10" at 4616.64,5086.18 h23.62 r270; Mechanical 14 "11" at 4575.3,5086.18 h23.62 r270; Mechanical 14 "12" at 4538.88,5086.18 h23.62 r270; Mechanical 14 "13" at 4500.5,5086.18 h23.62 r270; Mechanical 14 "14" at 4462.11,5086.18 h23.62 r270; Mechanical 14 "15" at 4418.81,5086.18 h23.62 r270; Mechanical 14 "16" at 4379.44,5086.18 h23.62 r270; Mechanical 14 "5" at 4807.59,5086.18 h23.62 r270; Mechanical 14 "4" at 4846.96,5086.18 h23.62 r270; Mechanical 14 "3" at 4886.33,5086.18 h23.62 r270; Mechanical 14 "2" at 4925.7,5086.18 h23.62 r270; Mechanical 14 "A" at 5054.63,5157.04 h23.62 r180; Mechanical 14 "B" at 5054.63,5196.41 h23.62 r180; Mechanical 14 "C" at 5054.63,5235.78 h23.62 r180; Mechanical 14 "D" at 5054.63,5275.15 h23.62 r180; Mechanical 14 "E" at 5054.63,5314.52 h23.62 r180; Mechanical 14 "F" at 5054.63,5353.89 h23.62 r180; Mechanical 14 "G" at 5054.63,5393.26 h23.62 r180; Mechanical 14 "H" at 5054.63,5432.63 h23.62 r180; Mechanical 14 "J" at 5054.63,5472 h23.62 r180; Mechanical 14 "K" at 5054.63,5511.37 h23.62 r180; Mechanical 14 "L" at 5054.63,5550.74 h23.62 r180; Mechanical 14 "M" at 5054.63,5590.11 h23.62 r180; Mechanical 14 "N" at 5054.63,5629.48 h23.62 r180; Mechanical 14 "P" at 5054.63,5668.85 h23.62 r180; Mechanical 14 "R" at 5054.63,5708.22 h23.62 r180; Mechanical 14 "T" at 5054.63,5747.59 h23.62 r180
J2: Top Overlay "e" at 2635.98,3016.36 h39.37 r180; Top Overlay "d" at 2697.24,3017.93 h39.37 r180; Top Overlay "c" at 2743.05,3017.26 h39.37 r180; Top Overlay "b" at 2793.05,3017.26 h39.37 r180; Top Overlay "a" at 2843.05,3017.26 h39.37 r180; Top Overlay "f" at 2585.88,3022.93 h39.37 r180; Top Overlay "h" at 2488.05,3017.26 h39.37 r180; Top Overlay "g" at 2540.88,3012.93 h39.37 r180; Top Overlay "j" at 2435.88,3017.93 h39.37 r180; Top Overlay "k" at 2385.88,3017.93 h39.37 r180; Top Overlay "40" at 2818.05,802.26 h47.24 r180; Top Overlay "1" at 2895.88,2832.93 h39.37 r180; Mechanical 14 "a" at 2843.05,3017.26 h39.37 r180; Mechanical 14 "b" at 2793.05,3017.26 h39.37 r180; Mechanical 14 "c" at 2743.05,3017.26 h39.37 r180; Mechanical 14 "d" at 2697.24,3017.93 h39.37 r180; Mechanical 14 "e" at 2635.98,3016.36 h39.37 r180; Mechanical 14 "f" at 2585.88,3022.93 h39.37 r180; Mechanical 14 "h" at 2488.05,3017.26 h39.37 r180; Mechanical 14 "g" at 2540.88,3012.93 h39.37 r180; Mechanical 14 "j" at 2435.88,3017.93 h39.37 r180; Mechanical 14 "k" at 2385.88,3017.93 h39.37 r180; Mechanical 14 "40" at 2818.05,802.26 h47.24 r180; Mechanical 14 "1" at 2895.88,2832.93 h39.37 r180
J3: Top Overlay "e" at 2635.98,5772.61 h39.37 r180; Top Overlay "d" at 2697.24,5774.18 h39.37 r180; Top Overlay "c" at 2743.05,5773.51 h39.37 r180; Top Overlay "b" at 2793.05,5773.51 h39.37 r180; Top Overlay "a" at 2843.05,5773.51 h39.37 r180; Top Overlay "f" at 2585.88,5779.18 h39.37 r180; Top Overlay "h" at 2488.05,5773.51 h39.37 r180; Top Overlay "g" at 2540.88,5769.18 h39.37 r180; Top Overlay "j" at 2435.88,5774.18 h39.37 r180; Top Overlay "k" at 2385.88,5774.18 h39.37 r180; Top Overlay "40" at 2818.05,3558.51 h47.24 r180; Top Overlay "1" at 2895.88,5589.18 h39.37 r180; Mechanical 14 "a" at 2843.05,5773.51 h39.37 r180; Mechanical 14 "b" at 2793.05,5773.51 h39.37 r180; Mechanical 14 "c" at 2743.05,5773.51 h39.37 r180; Mechanical 14 "d" at 2697.24,5774.18 h39.37 r180; Mechanical 14 "e" at 2635.98,5772.61 h39.37 r180; Mechanical 14 "f" at 2585.88,5779.18 h39.37 r180; Mechanical 14 "h" at 2488.05,5773.51 h39.37 r180; Mechanical 14 "g" at 2540.88,5769.18 h39.37 r180; Mechanical 14 "j" at 2435.88,5774.18 h39.37 r180; Mechanical 14 "k" at 2385.88,5774.18 h39.37 r180; Mechanical 14 "40" at 2818.05,3558.51 h47.24 r180; Mechanical 14 "1" at 2895.88,5589.18 h39.37 r180
J6: Top Overlay "BOT" at 401.58,6407.39 h39.37 r90; Top Overlay "TOP" at 598.43,6407.09 h39.37 r90; Mechanical 14 "BOT" at 356.11,6506.01 h39.37 r270; Mechanical 14 "TOP" at 557.29,6506.01 h39.37 r270
J7: Top Overlay "BOT" at 396.65,6082.58 h39.37 r90; Top Overlay "TOP" at 598.43,6082.58 h39.37 r90; Mechanical 14 "BOT" at 356.11,6181.01 h39.37 r270; Mechanical 14 "TOP" at 557.29,6181.01 h39.37 r270
J8: Top Overlay "1" at 1068.77,7355.37 h39.37 r90; Mechanical 14 "1" at 1068.77,7355.37 h39.37 r90
J16: Top Overlay "P1" at 4412.92,8515.51 h39.37; Top Overlay "S1" at 3783,8515.51 h39.37; Mechanical 14 "P1" at 4516.36,8540.86 h39.37 r180; Mechanical 14 "S1" at 3967.34,8542.83 h39.37 r180
LD24: Top Overlay "C" at 452.55,8439.51 h30; Top Overlay "A" at 454.55,8520.51 h30; Top Overlay "A" at 87.55,8489.51 h30 r90; Top Overlay "B" at 187.55,8489.51 h30 r90; Top Overlay "C" at 287.55,8489.51 h30 r90; Top Overlay "D" at 387.55,8489.51 h30 r90; Mechanical 14 "A" at 452.55,8539.51 h39.37; Mechanical 14 "C" at 452.55,8439.51 h39.37; Mechanical 14 "A" at 87.55,8489.51 h39.37 r90; Mechanical 14 "B" at 187.55,8489.51 h39.37 r90; Mechanical 14 "C" at 287.55,8489.51 h39.37 r90; Mechanical 14 "D" at 387.55,8489.51 h39.37 r90
LD25: Top Overlay "C" at 452.55,8679.51 h30; Top Overlay "A" at 452.55,8747.51 h30; Top Overlay "A" at 87.55,8697.51 h30 r90; Top Overlay "B" at 187.55,8697.51 h30 r90; Top Overlay "C" at 287.55,8697.51 h30 r90; Top Overlay "D" at 387.55,8697.51 h30 r90; Mechanical 14 "A" at 452.55,8747.51 h39.37; Mechanical 14 "C" at 452.55,8647.51 h39.37; Mechanical 14 "A" at 87.55,8697.51 h39.37 r90; Mechanical 14 "B" at 187.55,8697.51 h39.37 r90; Mechanical 14 "C" at 287.55,8697.51 h39.37 r90; Mechanical 14 "D" at 387.55,8697.51 h39.37 r90
P1: Top Overlay "d" at 5765.55,8810.51 h47.24; Top Overlay "z" at 6185.55,8810.51 h47.24; Top Overlay "a" at 6075.55,8810.51 h47.24; Top Overlay "b" at 5975.55,8810.51 h47.24; Top Overlay "c" at 5870.55,8810.51 h47.24; Notvisible "PCB" at 6290.55,7143.51 h59.06 r90
P3: Top Overlay "d" at 5765.55,3560.51 h47.24; Top Overlay "z" at 6185.55,3560.51 h47.24; Top Overlay "a" at 6075.55,3560.51 h47.24; Top Overlay "b" at 5975.55,3560.51 h47.24; Top Overlay "c" at 5870.55,3560.51 h47.24; Notvisible "PCB" at 6290.55,1893.51 h59.06 r90
SW1: Top Overlay "1" at 5965.55,4898.51 h39.37 r270; Top Overlay "2" at 5965.55,4848.51 h39.37 r270; Top Overlay "ON" at 6105.55,4913.51 h39.37 r270; Top Overlay "3" at 5965.55,4798.51 h39.37 r270; Top Overlay "4" at 5965.55,4748.51 h39.37 r270; Top Overlay "5" at 5965.55,4698.51 h39.37 r270; Top Overlay "6" at 5965.55,4648.51 h39.37 r270; Top Overlay "7" at 5965.55,4598.51 h39.37 r270; Top Overlay "8" at 5965.55,4548.51 h39.37 r270; Mechanical 14 "1" at 5965.95,4898.51 h39.37 r270; Mechanical 14 "2" at 5965.95,4848.51 h39.37 r270; Mechanical 14 "ON" at 6105.95,4913.51 h39.37 r270; Mechanical 14 "3" at 5965.95,4798.51 h39.37 r270; Mechanical 14 "4" at 5965.95,4748.51 h39.37 r270; Mechanical 14 "5" at 5965.95,4698.51 h39.37 r270; Mechanical 14 "6" at 5965.95,4648.51 h39.37 r270; Mechanical 14 "7" at 5965.95,4598.51 h39.37 r270; Mechanical 14 "8" at 5965.95,4548.51 h39.37 r270